# Altium PCB 菜单底板.PcbDoc
Units mm, origin at the board's own origin, x right, y up, seen from the top; angles counter-clockwise.
Board outline 55.24 x 65.13 mm, 2 copper layers (Top Layer, Bottom Layer); 31 components, 34 nets, 154 pads, 38 vias.
Unrouted connection lines stored in the file: 1.
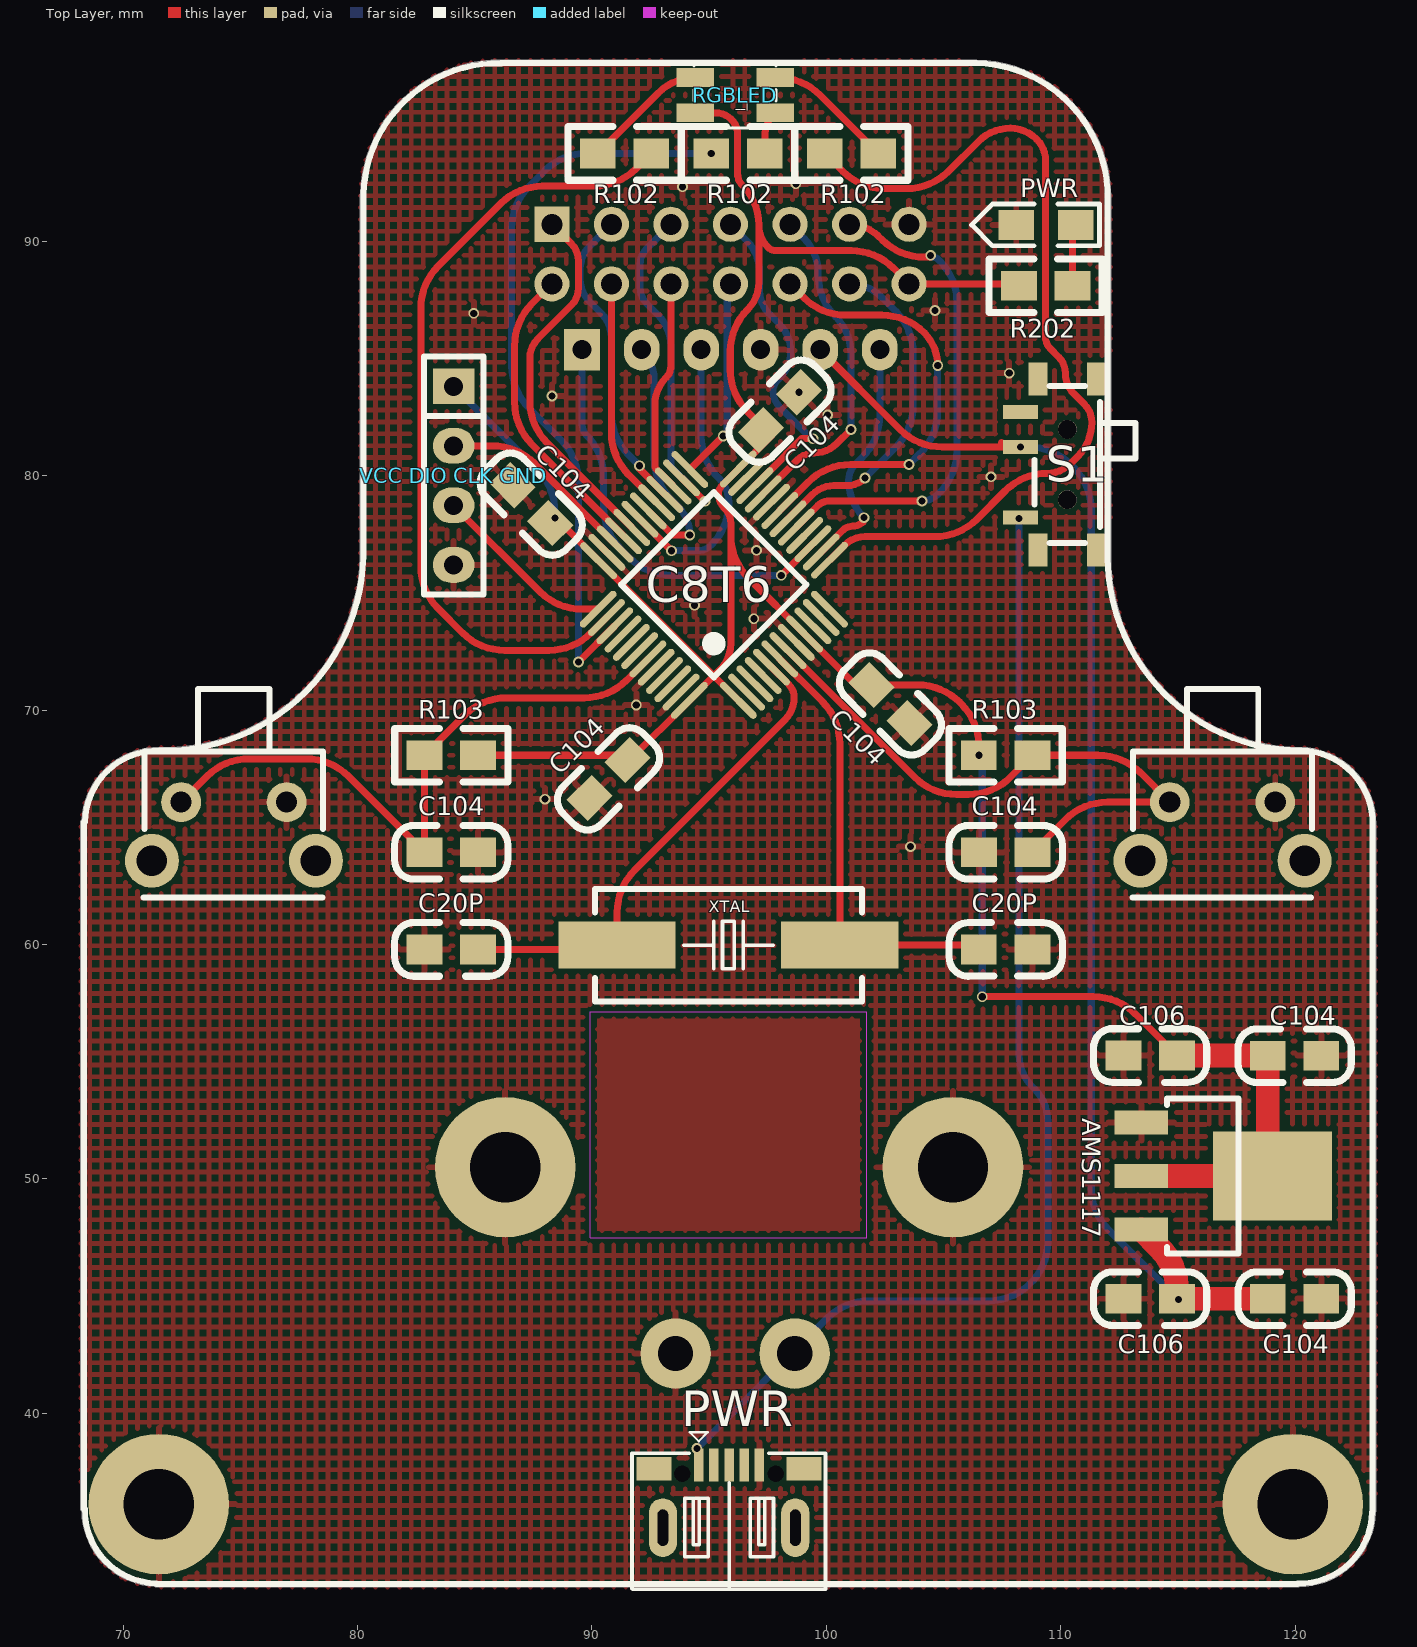
[diagram p0: Top Layer view]
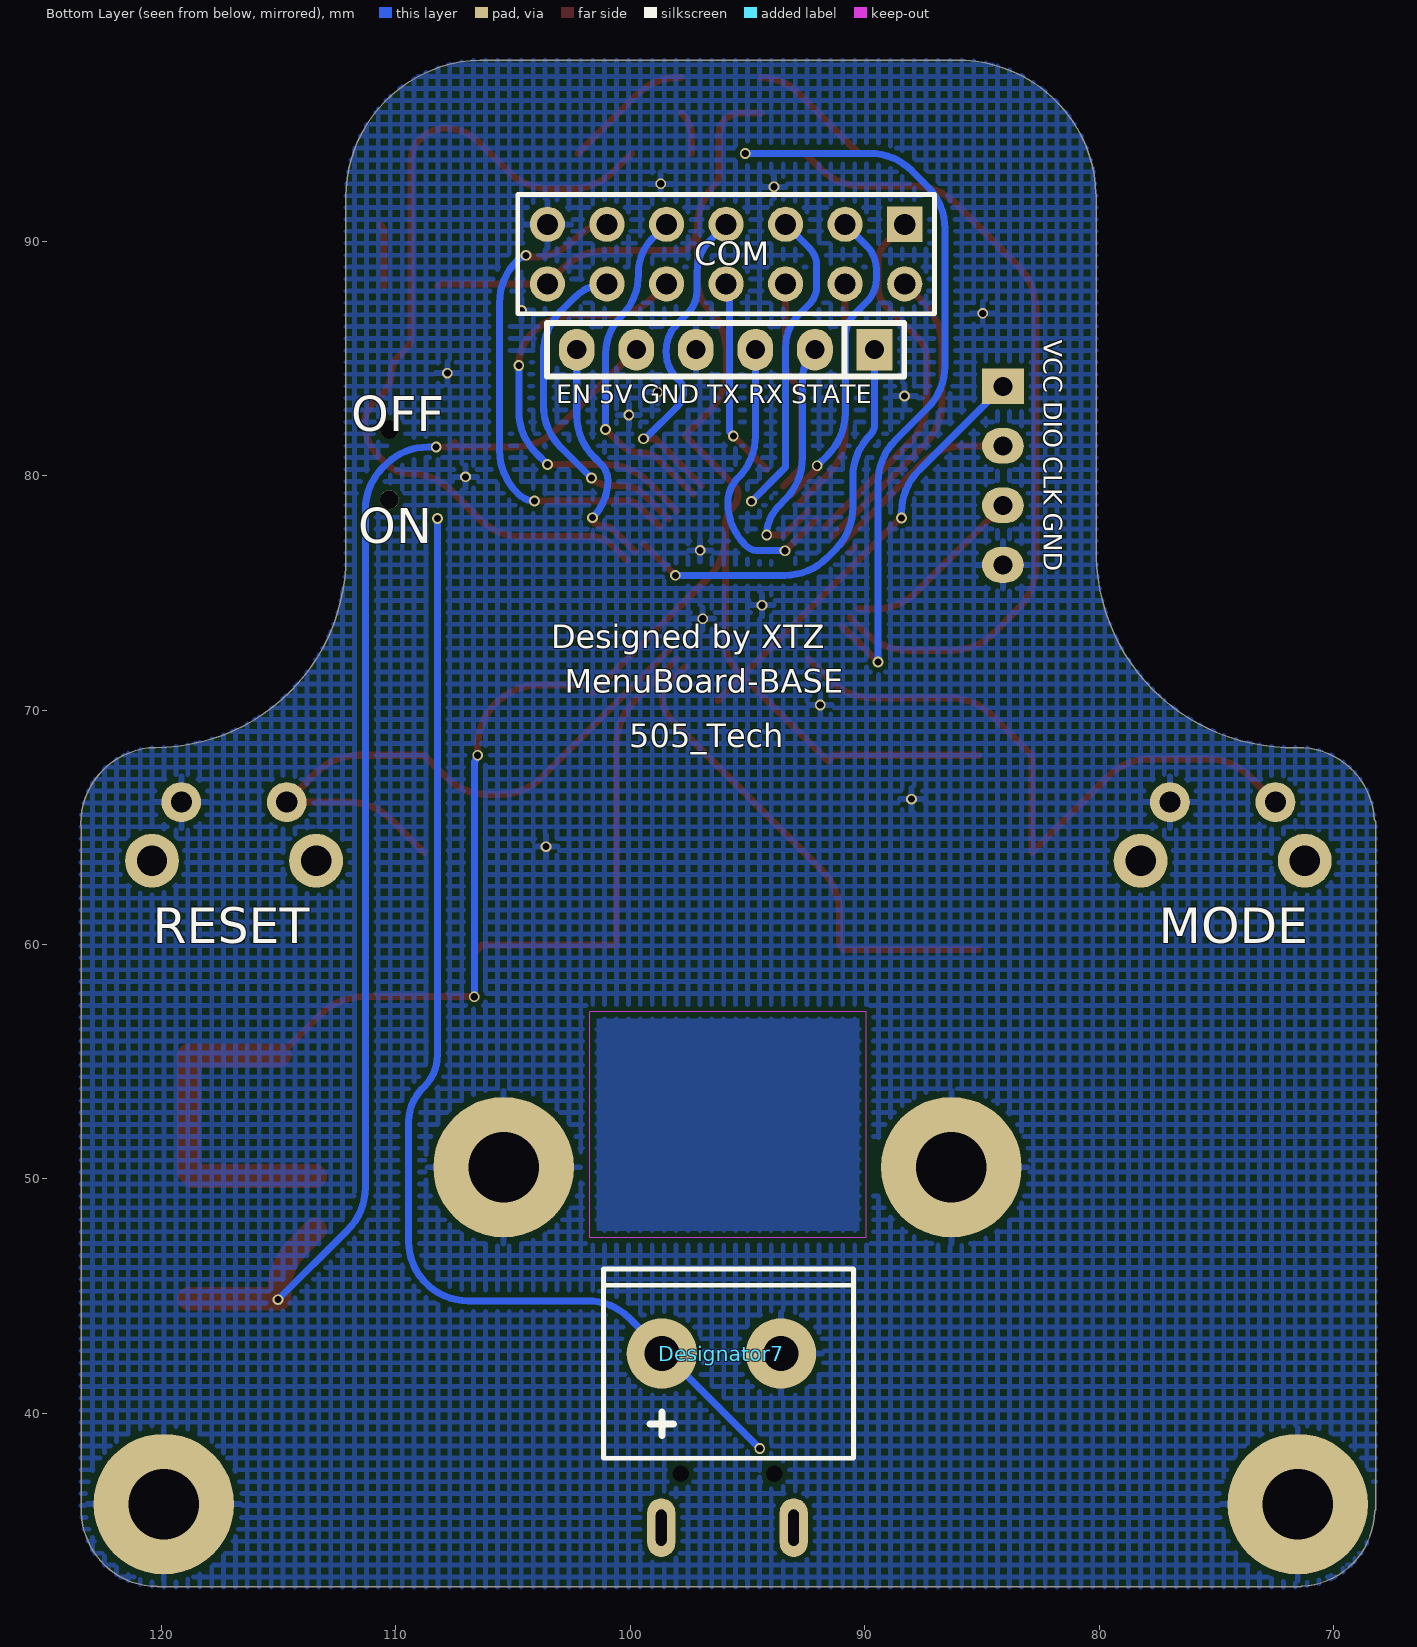
[diagram p1: Bottom Layer view, seen from below]

## Layer stack, top to bottom
Top Solder: solder mask 0.0102, Solder Resist, Dk 3.5
Top Layer: signal copper 0.0356
Dielectric 1: dielectric 0.32, FR-4, Dk 4.8
Bottom Layer: signal copper 0.0356
Bottom Solder: solder mask 0.0102, Solder Resist, Dk 3.5

## Board outline
68.247,35.824 cw(c68.325,35.925) 68.198,35.925 68.198,65.225 cw(c68.325,65.225) 68.251,65.329 cw(c71.487,65.162) 71.553,68.402 cw(c71.55,68.275) 71.553,68.402 ccw(c71.762,76.763) 80.123,76.552 ccw(c71.762,76.763) 80.123,76.553 80.123,76.55 80.123,91.981 cw(c80.25,91.981) 80.13,92.024 cw(c86,91.85) 86.094,97.722 cw(c86.131,97.6) 86.131,97.727 106.405,97.727 cw(c106.406,97.6) 106.409,97.727 cw(c106.275,91.875) 112.129,91.875 cw(c106.275,91.875) 112.127,91.742 cw(c106.275,91.875) 112.127,91.741 112.127,91.744 112.127,76.55 cw(c112,76.55) 112.127,76.549 ccw(c120.266,76.541) 120.257,68.402 cw(c120.257,68.275) 120.26,68.402 ccw(c120.194,65.163) 120.259,68.402 120.26,68.402 cw(c120.194,65.163) 123.435,65.163 cw(c120.194,65.163) 123.434,65.097 cw(c123.307,65.1) 123.427,65.059 123.427,35.825 cw(c123.3,35.825) 123.41,35.761 cw(c120.171,35.856) 120.173,32.615 cw(c120.108,32.725) 120.108,32.598 71.425,32.598 cw(c71.425,32.725) 71.346,32.625 cw(c71.488,35.862)

## Design rules (kind name [scope] priority, off if disabled: settings)
Clearance [All] p1: gap=0.2 ignorepadtopadclearanceinfootprint=TRUE
PolygonConnect [All] p1: connectstyle=Relief reliefconductorwidth=0.254 reliefentries=4 polygonreliefangle="90 Angle" airgapwidth=0.254
RoutingVias [All] p1: holewidth=0.711 width=1.27 viastyle="Through Hole" minholewidth=0.711 minwidth=1.27 maxholewidth=0.711 maxwidth=1.27
SolderMaskExpansion [All] p1: expansion=0.102
Width [All] p1: maxlimit=1.016 minlimit=0.15 preferedwidth=0.3
30 further rules are at their usual default settings.

## Components (designator, comment, footprint, x,y, rotation, side; value= is the part's Value field where it differs from the comment)
AMS1117 "AMS1117" SOT223 113.437,50.125 r270 top (schematic designator U2)
C8T6 "STM32F103C8T6" "LQFP48 7X7" 95.2,75.35 r45 top locked (schematic designator U1)
C20P "20p" 0805C 108.775,59.783 r180 top (schematic designator C7)
C20P "20p" 0805C 82.875,59.8 r0 top (schematic designator C5)
C104 "104" 0805C 85.122,63.926 r180 top (schematic designator C12)
C104 "104" 0805C 98.821,83.542 r225 top (schematic designator C11)
C104 "104" 0805C 103.522,69.464 r135 top (schematic designator C10)
C104 "104" 0805C 86.625,79.587 r315 top (schematic designator C9)
C104 "104" 0805C 89.906,66.278 r45 top (schematic designator C8)
C104 "104" 0805C 106.528,63.943 r0 top (schematic designator C6)
C104 "104" 0805C 121.1,55.25 r180 top (schematic designator C4)
C104 "104" 0805C 121.1,44.883 r180 top (schematic designator C2)
C106 "10uF" 0805C 112.691,55.275 r0 top (schematic designator C3)
C106 "10uF" 0805C 112.691,44.9 r0 top (schematic designator C1)
COM "Pin HDR2X7" "Pin HDR2X7/2.54mm-S" 88.29,90.725 r0 bottom locked
Designator7 "Comment" 2PIN-5.08B 98.65,42.55 r180 bottom
"EN 5V GND TX RX STATE" "蓝牙接口" Fe-HDR1X6/2.54-S 89.58,85.375 r0 bottom (schematic designator Bluetooth)
MODE "KEY" DIP-6X6X6_C 76.975,66.075 r180 bottom (schematic designator RST_OLED)
PWR "LED" LED-0805B 110.64,90.7 r180 top (schematic designator 2)
PWR "Micro-USB" USB-MICRO_D 94.555,37.798 r0 top locked (schematic designator USB1)
R102 "201" 0805R 95.092,93.75 r0 top (schematic designator R4)
R102 "201" 0805R 99.933,93.75 r0 top (schematic designator R3)
R102 "201" 0805R 92.536,93.75 r180 top (schematic designator R2)
R103 "10K" 0805R 82.857,68.075 r0 top (schematic designator R5)
R103 "10K" 0805R 108.793,68.075 r180 top (schematic designator R1)
R202 "1K" 0805R 108.214,88.1 r0 top (schematic designator R7)
RESET "KEY" DIP-6X6X6_C 119.15,66.075 r180 bottom (schematic designator RST_MCU)
RGBLED "LED_RGB" "LED  3528SMD" 96.2,96.225 r0 top (schematic designator D1)
S1 "MSK-12C01-07" MSK-12C01-07 110.275,80.475 r90 top
"VCC DIO CLK GND" "Female HDR1X4" Fe-HDR1X4/2.54-S 84.1,83.815 r0 top (schematic designator SWD)
XTAL "8MHZ" "OSC HC-49SMD" 95.825,59.975 r180 top

## Footprints (in the part's own frame and the unit in brackets; to place one, negate y for a bottom-side part, rotate by r counter-clockwise, add the part's x,y. Pads: shape width x height; smd on the part's side, far side on the other; paste and mask are expansions set on the pad)
2PIN-5.08B [mm] "3A"
  round 3 hole 1.5: 1(0,0) 2(5.08,0)
  silkscreen extent -2.49,-4.47 8.18,3.61, body extent -2.48,-4.58 8.12,3.02, height 10
0805C [mil]
  rect 60x50 smd: 1(-0.71,-0.4) 2(89.29,-0.4)
  silkscreen extent -51,-45 139,45, body extent 6,-25 84,25, height 31
0805R [mil]
  rect 60x50 smd: 1(0,0) 2(90,0)
  silkscreen extent -50,-45 140,45, body extent 1,-25 80,25, height 15
DIP-6X6X6_C [mm]
  round 2.3 hole 1.3: 0(-1.25,-2.5) 0(5.75,-2.5)
  round 1.7 hole 0.9: 1(0,0) 3(4.5,0)
  body extent -1.9,-4.17 6.46,4.68, height 7.47
Fe-HDR1X4/2.54-S [mil]
  rect 70x60 hole 32: 1(0,0)
  oval 70x60 hole 32: 2(0,-100) 3(0,-200) 4(0,-300)
  silkscreen extent -50,-350 50,50, body extent -44,-355 54,55, height 335
Fe-HDR1X6/2.54-S [mil]
  rect 60x70 hole 32: 1(0,0)
  oval 60x70 hole 32: 2(100,0) 3(200,0) 4(300,0) 5(400,0) 6(500,0)
  silkscreen extent -50,-45 550,45, body extent -55,-49 555,49, height 109
"LED  3528SMD" [mm]
  rect 1.6x0.8 smd: B(-1.79,0.758) C(-1.79,-0.742) G(1.61,0.758) R(1.61,-0.742)
  silkscreen extent -1.84,-1.39 1.66,1.41
LED-0805B [mil]
  rect 60x50 smd: A(0,0) K(100,0)
  silkscreen extent -40,-35 175,35, body extent 10,-25 89,25, height 32
"LQFP48 7X7" [mm]
  oval 0.3x2.1 smd: 1(-2.75,-4.227) 2(-2.25,-4.227) 3(-1.75,-4.227) 4(-1.25,-4.227) 5(-0.75,-4.227) 6(-0.25,-4.227) 7(0.25,-4.227) 8(0.75,-4.227) 9(1.25,-4.227) 10(1.75,-4.227) 11(2.25,-4.227) 12(2.75,-4.227) 25(2.75,4.202) 26(2.25,4.202) 27(1.75,4.202) 28(1.25,4.202) 29(0.75,4.202) 30(0.25,4.202) 31(-0.25,4.202) 32(-0.75,4.202) 33(-1.25,4.202) 34(-1.75,4.202) 35(-2.25,4.202) 36(-2.75,4.202)
  oval 2.1x0.3 smd: 13(4.227,-2.75) 14(4.227,-2.25) 15(4.227,-1.75) 16(4.227,-1.25) 17(4.227,-0.75) 18(4.227,-0.25) 19(4.227,0.25) 20(4.227,0.75) 21(4.227,1.25) 22(4.227,1.75) 23(4.227,2.25) 24(4.227,2.75) 37(-4.227,2.75) 38(-4.227,2.25) 39(-4.227,1.75) 40(-4.227,1.25) 41(-4.227,0.75) 42(-4.227,0.25) 43(-4.227,-0.25) 44(-4.227,-0.75) 45(-4.227,-1.25) 46(-4.227,-1.75) 47(-4.227,-2.25) 48(-4.227,-2.75)
  silkscreen extent -2.79,-2.79 2.79,2.79, body extent -4.51,-4.5 4.5,4.5, height 1.45
MSK-12C01-07 [mm]
  rect 1.4x0.8 smd: 0(-3.65,-1.25) 0(-3.65,1.25) 0(3.65,-1.25) 0(3.65,1.25)
  rect 0.6x1.5 smd: 1(2.25,1.996) 2(0.75,1.996) 3(-2.25,1.996)
  round 0.8 hole 0.8: " "(-1.5,0) " "(1.5,0)
  silkscreen extent -3.35,-2.92 3.35,1.4, body extent -3.92,-2.89 3.92,2.41, height 1.5
"OSC HC-49SMD" [mm]
  rect 5x2 smd: 1(-4.75,0) 2(4.75,0)
  silkscreen extent -5.7,-2.4 5.7,2.4, body extent -6.37,-2.41 6.63,2.24, height 4.63
"Pin HDR2X7/2.54mm-S" [mm] "Connector; Header; 7x2 Position"
  rect 1.5x1.5 hole 0.9: 1(0,0)
  round 1.5 hole 0.9: 2(0,2.54) 3(2.54,0) 4(2.54,2.54) 5(5.08,0) 6(5.08,2.54) 7(7.62,0) 8(7.62,2.54) 9(10.16,0) 10(10.16,2.54) 11(12.7,0) 12(12.7,2.54) 13(15.24,0) 14(15.24,2.54)
  silkscreen extent -1.27,-1.27 16.51,3.81, body extent -1.27,-1.27 16.51,3.81, height 7.58
SOT223 [mil]
  rect 40x90 smd: 1(-90,0) 2(0,0) 3(90,0)
  rect 150x200 smd: 2(0,220)
  silkscreen extent -130,43 130,163, body extent -130,-30 126,246, height 65
USB-MICRO_D [mm]
  rect 1.5x1 smd: 0(-1.905,-0.167) 0(4.495,-0.167)
  oval 1.2x2.5 hole 0.45 slot 1.55 at 90 deg: 0(-1.53,-2.673) 0(4.12,-2.673)
  round 0.6 hole 0.7 unplated: 0(-0.705,-0.373) 0(3.295,-0.373)
  rect 0.4x1.4 smd: 1(0,0) 2(0.648,0) 3(1.295,0) 4(1.943,0) 5(2.591,0)
  silkscreen extent -2.84,-5.3 5.41,1.4, body extent -2.73,-5.35 5.27,0.25, height 2.8

## Part data
AMS1117: "三端稳压芯片"
C20P C20P C104 C104 C104 C104 C104 C104 C104 C104 C106 C106: library part CAP, "无极性电容"
"EN 5V GND TX RX STATE": library part "Female HDR1X6"
R102 R102 R102 R103 R103 R202: library part RES
RGBLED: "贴片0805， 深圳市追芯电子"
XTAL: library part XTAL-2P, "2脚无源脚晶振"

## Free pads (board coordinates)
  round 6 hole 3: 2(86.3,50.5) 2(105.4,50.5) 4(119.898,36.127) 6(71.523,36.127)

## Via types
v1: diameter 0.457, hole 0.305, Top Layer to Bottom Layer, 38 vias

## Nets (pads, with @x,y where several pads share a name; then routed paths per layer and width w, separated by ;. In a path a pad name is that pad's centre, name@x,y a point inside that pad or via, vN(x,y) a via of type N, cw(c..) or ccw(c..) an arc to the next point about the centre after c; other vN are vias at no path point)
3.3V: "VCC DIO CLK GND.1" AMS1117.2 C8T6.1 C8T6.9 C8T6.24 C8T6.36 C8T6.48 C104.2@88.222,77.976 C104.2@91.517,67.875 C104.2@97.21,81.946 C104.2@101.925,71.075 C104.2@118.832,55.26 C106.2@114.959,55.265 COM.14 R103.2 R202.1 RGBLED.C | length 119.8
  Top Layer w0.3: R103.2@85.143,68.075 91.317,68.075 C104.2@91.517,67.875 ; C104.2@88.45,78.211 C8T6.36 95.189,71.472 95.189,71.45 ; C104.2@91.566,67.826 C8T6.48 95.189,71.45 ; RGBLED.C 95.268,95.483 cw(c95.268,94.518) 95.95,95.2 cw(c95.319,94.569) 96.211,94.569 96.211,92.891 ccw(c96.941,92.891) 96.425,92.375 cw(c94.735,90.685) 97.125,90.685 ; C8T6.1 95.211,71.45 95.462,71.701 95.462,71.722 ; C104.2@101.609,70.709 C8T6.9 96.669,75.649 cw(c98.465,77.445) 95.925,77.445 ; C104.2@101.925,71.075 103.898,71.075 cw(c103.898,68.535) 105.694,70.331 105.763,70.262 cw(c103.967,68.466) 106.507,68.466 v1(106.507,68.075) ; v1(106.65,57.775) 111.397,57.775 cw(c111.397,55.235) 113.193,57.031 C106.2@114.959,55.265 ; R202.1 ccw(c108.009,87.895) 108.009,88.185 COM.14 102.859,88.856 ccw(c101.063,87.06) 101.063,89.6 97.832,89.6 cw(c97.832,90.04) 97.521,89.729 cw(c98.477,90.685) 97.125,90.685 ; 95.189,71.45 95.462,71.722 ; 95.462,71.722 ccw(c94.343,72.841) 95.925,72.841 95.925,77.445 ; 95.925,77.445 95.925,77.958 ccw(c94.978,77.958) 95.647,78.628 cw(c96.245,79.225) 95.4,79.225 cw(c95.917,79.225) 95.551,79.59 C8T6.24 97.65,81.689 97.65,81.725 96.644,82.731 cw(c98.44,84.527) 95.9,84.527 95.9,85.298 cw(c98.44,85.298) 96.644,87.094 ccw(c95.483,88.255) 97.125,88.255 97.125,90.685
  Top Layer w1.016: AMS1117.2@113.437,50.125 118.639,50.125 118.832,50.318 118.832,55.26 118.827,55.265 C106.2@114.959,55.265
  Bottom Layer w0.3: 84.1,83.815 87.681,80.234 cw(c85.885,78.438) 88.425,78.438 v1(88.425,78.2) ; v1(106.507,68.075) cw(c106.282,67.85) 106.6,67.85 106.65,67.8 v1(106.65,57.775)
5V: "EN 5V GND TX RX STATE.5" AMS1117.3 C104.2@118.832,44.893 C106.2@114.959,44.89 S1.2 | length 56.8
  Top Layer w0.3: 99.74,85.375 103.146,81.969 ccw(c104.942,83.765) 104.942,81.225 S1.2@107.911,81.225
  Top Layer w1.016: AMS1117.3 114.215,47.061 cw(c112.419,45.265) 114.959,45.265 114.959,44.89 118.828,44.89 C104.2@118.832,44.893
  Bottom Layer w0.3: v1(108.279,81.225) 108.623,81.225 cw(c108.623,78.685) 110.419,80.481 110.556,80.344 cw(c108.76,78.548) 111.3,78.548 111.3,49.627 ccw(c113.84,49.627) 112.044,47.831 v1(115.025,44.85)
BEEP: C8T6.28 COM.3 | length 13.2
  Top Layer w0.3: v1@91.959,80.359 C8T6.28
  Bottom Layer w0.3: COM.3 89.915,89.81 ccw(c90.917,88.808) 89.5,88.808 89.5,88.391 ccw(c90.866,88.391) 89.9,87.425 90.401,86.924 cw(c89.376,85.9) 90.825,85.9 90.825,82.677 ccw(c93.365,82.677) 91.569,80.881 v1(92.025,80.425)
BLUETOOTH_EN: "EN 5V GND TX RX STATE.6" C8T6.14 | length 10
  Top Layer w0.3: C8T6.14 100.71,77.678 cw(c101.125,77.263) 101.125,77.85 ccw(c101.125,78.497) v1@101.583,78.04
  Bottom Layer w0.3: v1(101.609,78.211) cw(c103.2,79.802) 100.95,79.802 cw(c101.912,79.802) 101.232,80.482 101.536,80.786 ccw(c99.74,82.582) 102.28,82.582 102.28,85.375
BLUETOOTH_STATE: "EN 5V GND TX RX STATE.1" C8T6.15 | length 18.1
  Top Layer w0.3: v1(98.075,75.75) C8T6.15
  Bottom Layer w0.3: 89.58,85.375 89.58,82.169 ccw(c90.181,82.169) 89.756,81.744 cw(c87.96,79.948) 90.5,79.948 90.5,78.652 ccw(c93.04,78.652) 91.244,76.856 91.606,76.494 ccw(c93.402,78.29) 93.402,75.75 v1(98.075,75.75)
GND: "EN 5V GND TX RX STATE.4" "VCC DIO CLK GND.4" AMS1117.1 C8T6.8 C8T6.20 C8T6.23 C8T6.35 C8T6.44 C8T6.47 C20P.1 C104.1 C106.1 COM.13 Designator7.2 MODE.1 pad.2 pad.4 pad.6 PWR.5 PWR.K RESET.1 | length 0.3
  Top Layer w0.3: C8T6.35@90.405,76.963 C8T6.35
  other v1: 103.588,64.175 88,66.202 91.893,70.218 96.908,73.9 94.375,74.475 97.017,76.816 107.025,79.95 100.056,82.587 88.3,83.4 98.827,83.562 107.8,84.375 84.961,86.925 104.635,87.052 93.866,92.325 98.7,92.452
KEY_BACK: C8T6.18 COM.12 | length 14.3
  Top Layer w0.3: C8T6.18 99.399,79.195 cw(c100.316,78.277) 100.316,79.575 100.875,79.575 ccw(c100.875,80.661) 101.643,79.893 v1(101.65,79.9)
  Bottom Layer w0.3: COM.12 cw(c100.99,86.254) 102.356,87.619 102.956,87.019 cw(c101.16,85.223) 103.7,85.223 103.7,83.002 cw(c101.16,83.002) 102.956,81.206 v1(101.65,79.9)
KEY_DOWN: C8T6.25 COM.8 | length 8.9
  Top Layer w0.3: C8T6.25 v1(95.6,81.692)
  Bottom Layer w0.3: v1(95.6,81.692) 95.772,81.864 95.772,87.875 95.6,87.875 COM.8
KEY_LEFT: C8T6.29 COM.4 | length 10
  Top Layer w0.3: COM.4 90.83,81.833 ccw(c93.37,81.833) 91.574,80.037 C8T6.29
KEY_OK: C8T6.33 COM.2 | length 13.1
  Top Layer w0.3: COM.2 87.444,87.339 ccw(c89.24,85.543) 86.7,85.543 86.7,83.134 ccw(c89.24,83.134) 87.444,81.338 C8T6.33
KEY_RIGHT: C8T6.19 COM.10 | length 18.8
  Top Layer w0.3: C8T6.19 99.228,79.731 cw(c101.024,77.935) 101.024,80.475 101.407,80.475 101.41,80.479 103.521,80.479 v1(103.525,80.475) v1@103.525,80.428 ; COM.10 99.041,87.594 ccw(c100.837,89.39) 100.837,86.85 102.373,86.85 cw(c102.373,84.31) 104.169,86.106 cw(c102.766,84.703) v1(104.75,84.703)
  Bottom Layer w0.3: v1(103.525,80.475) 104.006,80.956 ccw(c102.21,82.752) 104.75,82.752 v1(104.75,84.703)
KEY_UP: C8T6.27 COM.6 | length 9.1
  Top Layer w0.3: COM.6 93.37,84.671 cw(c92.704,84.671) 93.175,84.2 ccw(c94.361,83.014) 92.684,83.014 92.684,80.341 C8T6.27
LED_TOP: C8T6.32 COM.1 | length 15.8
  Top Layer w0.3: COM.1 89.12,89.895 cw(c88.384,89.159) 89.425,89.159 89.425,87.999 cw(c88.401,87.999) 89.125,87.275 87.706,85.856 ccw(c88.564,84.997) 87.35,84.997 87.35,83.191 ccw(c89.89,83.191) 88.094,81.395 C8T6.32
LEDRGB_B: C8T6.39 R102.1@95.092,93.75 | length 31.9
  Top Layer w0.3: v1(89.425,72.05) C8T6.39
  Bottom Layer w0.3: v1(89.425,72.05) 89.425,79.723 ccw(c86.885,79.723) 88.681,81.519 87.319,82.881 cw(c89.115,84.677) 86.575,84.677 86.575,90.548 cw(c89.115,90.548) 87.319,92.344 87.981,93.006 cw(c89.777,91.21) 89.777,93.75 v1(95.092,93.75)
LEDRGB_G: C8T6.13 R102.1@99.933,93.75 | length 37.1
  Top Layer w0.3: R102.1@99.933,93.75 100.69,92.994 ccw(c102.486,94.79) 102.486,92.25 103.423,92.25 ccw(c103.423,94.79) 105.219,92.994 106.484,94.259 cw(c107.85,92.894) 107.85,94.825 cw(c107.85,93.256) 108.96,94.365 108.975,94.35 cw(c108.07,93.445) 109.35,93.445 109.35,85.908 ccw(c110.033,85.908) 109.55,85.425 109.909,85.066 cw(c109.218,84.375) 110.195,84.375 ccw(c111.439,84.375) 110.559,83.496 ; C8T6.13 100.783,77.044 cw(c101.643,76.183) 101.643,77.4 104.623,77.4 ccw(c104.623,79.94) 106.419,78.144 107.631,79.356 cw(c109.427,77.56) 109.427,80.1 ccw(c109.427,81.483) 110.405,80.505 110.724,80.824 ccw(c109.273,82.275) 111.325,82.275 ccw(c110.226,82.275) 111.003,83.052 110.559,83.496
LEDRGB_R: C8T6.38 R102.1@92.536,93.75 | length 34.2
  Top Layer w0.3: C8T6.38 89.962,73.294 cw(c88.166,75.09) 88.166,72.55 86.277,72.55 cw(c86.277,75.09) 84.481,73.294 83.444,74.331 cw(c85.24,76.127) 82.7,76.127 82.7,87.148 cw(c85.24,87.148) 83.444,88.944 86.125,91.625 cw(c87.875,89.875) 87.875,92.35 90.084,92.35 ccw(c90.084,94.89) 91.88,93.094 R102.1@92.536,93.75
Net1_A: 
Net2_A: PWR.A R202.2 | length 2.6
  Top Layer w0.3: R202.2 110.5,90.362 cw(c110.978,90.362) PWR.A
NetD1_1: R102.2@90.25,93.75 RGBLED.B | length 5.4
  Top Layer w0.3: R102.2@90.25,93.75 92.827,96.327 cw(c94.41,94.744) RGBLED.B
NetD1_2: R102.2@102.219,93.75 RGBLED.G | length 5.6
  Top Layer w0.3: RGBLED.G 97.935,96.983 cw(c97.935,94.443) 99.731,96.239 R102.2@102.219,93.75
NetD1_4: R102.2@97.378,93.75 RGBLED.R | length 1.8
  Top Layer w0.3: R102.2@97.378,93.75 97.378,94.439 cw(c98.854,94.439) RGBLED.R
NRST: C8T6.7 C104.2@108.796,63.932 R103.1@108.793,68.075 RESET.3 | length 26.7
  Top Layer w0.3: C8T6.7 103.76,67.144 ccw(c105.556,68.94) 105.556,66.4 106.066,66.4 ccw(c106.066,68.94) 107.862,67.144 108.793,68.075 111.598,68.075 cw(c111.598,65.535) 113.394,67.331 RESET.3 111.991,66.075 ccw(c111.991,63.535) 110.195,65.331 C104.2@108.796,63.932
OLED_D0: C8T6.26 COM.5 | length 14.8
  Top Layer w0.3: C8T6.26 v1(94.825,78.907)
  Bottom Layer w0.3: COM.5 92.336,89.691 ccw(c93.028,89) 92.05,89 92.05,88.049 ccw(c93.074,88.049) 92.35,87.325 92.801,86.874 cw(c91.427,85.5) 93.37,85.5 93.37,80.362 v1(94.825,78.907)
OLED_D1: C8T6.22 COM.7 | length 14.3
  Top Layer w0.3: C8T6.22 98.272,80.897 98.272,80.916 98.935,81.579 v1(99.43,81.579)
  Bottom Layer w0.3: COM.7 96.595,90.04 cw(c95.255,88.7) 97.15,88.7 97.15,87.891 ccw(c98.516,87.891) 97.55,86.925 97.98,86.495 cw(c96.785,85.3) 98.475,85.3 cw(c96.845,85.3) 97.998,84.148 97.919,84.069 ccw(c98.389,83.6) 97.725,83.6 ccw(c98.63,83.6) 97.99,82.96 v1@99.371,81.579 ; v1@99.296,81.579 v1@99.371,81.579 ; v1(99.43,81.579) v1@99.371,81.579
OLED_DS: C8T6.17 COM.11 | length 21.1
  Top Layer w0.3: C8T6.17 99.625,78.714 cw(c100.133,78.206) 100.133,78.925 v1(104.081,78.925) ; COM.11 cw(c100.99,88.968) 102.233,90.21 102.374,90.069 ccw(c104.17,91.865) 104.17,89.325 v1@104.45,89.325
  Bottom Layer w0.3: v1(104.081,78.925) ccw(c104.081,79.875) 104.753,79.203 104.831,79.281 ccw(c103.035,81.077) 105.575,81.077 105.575,87.373 ccw(c103.035,87.373) 104.831,89.169 104.781,89.219 ccw(c104.525,88.963) v1@104.525,89.325
  other v1: 104.45,89.4
OLED_INIT: C8T6.43 C104.2@82.854,63.936 MODE.3 R103.1@82.857,68.075 | length 27.7
  Top Layer w0.3: MODE.3 73.581,67.181 cw(c75.377,65.385) 75.377,67.925 77.812,67.925 cw(c77.812,65.385) 79.608,67.181 82.854,63.936 82.857,63.94 82.857,68.075 84.563,69.781 cw(c86.359,67.985) 86.359,70.525 89.676,70.525 ccw(c89.676,73.065) 91.473,71.269 C8T6.43
OLED_RST: C8T6.21 COM.9 | length 14.3
  Top Layer w0.3: C8T6.21 98.743,80.66 cw(c99.502,79.901) 99.502,80.975 ccw(c99.502,82.298) 100.437,81.362 v1(101.05,81.975)
  Bottom Layer w0.3: COM.9 99.031,90.144 cw(c97.538,88.65) 99.65,88.65 99.65,88.577 ccw(c102.19,88.577) 100.394,86.781 cw(c98.81,85.197) 101.05,85.197 v1(101.05,81.975)
OSC_IN: C8T6.5 C20P.2@85.143,59.79 XTAL.2 | length 21.2
  Top Layer w0.3: C20P.2@85.143,59.79 90.89,59.79 XTAL.2 91.075,61.373 cw(c93.615,61.373) 91.819,63.169 98.218,69.568 ccw(c97.237,70.55) 98.625,70.55 ccw(c97.866,70.55) 98.403,71.087 C8T6.5
OSC_OUT: C8T6.6 C20P.2@106.507,59.793 XTAL.1 | length 19.2
  Top Layer w0.3: C8T6.6 99.831,70.365 cw(c98.035,68.569) 100.575,68.569 XTAL.1 106.325,59.975 C20P.2@106.507,59.793
SWCLK: "VCC DIO CLK GND.3" C8T6.37 | length 7.9
  Top Layer w0.3: 84.1,78.735 87.785,75.05 ccw(c89.581,76.846) 89.581,74.306 C8T6.37
SWDIO: "VCC DIO CLK GND.2" C8T6.34 | length 8.7
  Top Layer w0.3: 84.281,81.35 ccw(c84.281,81.094) 84.1,81.275 85.748,81.275 cw(c85.748,78.735) 87.544,80.531 C8T6.34
USART1_RX: "EN 5V GND TX RX STATE.3" C8T6.31 | length 12.5
  Top Layer w0.3: C8T6.31 v1(93.396,76.8)
  Bottom Layer w0.3: v1(93.396,76.8) 94.506,76.8 ccw(c94.506,77.632) 95.094,77.044 ccw(c93.297,78.84) 95.837,78.84 95.837,78.849 ccw(c94.357,78.849) 95.404,79.896 cw(c97.2,81.692) 94.66,81.692 94.66,85.375
USART1_TX: "EN 5V GND TX RX STATE.2" C8T6.30 | length 10.7
  Top Layer w0.3: C8T6.30 93.429,77.475 v1(94.174,77.475)
  Bottom Layer w0.3: 92.12,85.375 cw(c90.84,84.095) 92.65,84.095 92.65,80.777 ccw(c95.19,80.777) 93.394,78.981 93.66,78.715 cw(c92.42,77.475) v1(94.174,77.475)
USB5V: Designator7.1 PWR.1 S1.3 | length 50.1
  Bottom Layer w0.3: v1(94.475,38.5) 100.031,44.056 cw(c101.827,42.26) 101.827,44.8 106.91,44.8 ccw(c106.91,47.34) 109.45,47.34 109.45,52.448 ccw(c107.453,52.448) 108.865,53.86 108.775,53.95 cw(c110.103,55.278) 108.225,55.278 v1(108.225,78.175)
pads on no net: "S1. " C8T6.2 C8T6.3 C8T6.4 C8T6.10 C8T6.11 C8T6.12 C8T6.16 C8T6.40 C8T6.41 C8T6.42 C8T6.45 C8T6.46 MODE.0 PWR.0 PWR.2 PWR.3 PWR.4 RESET.0 S1.0 S1.1

## Polygon pours and split planes (outlines as drawn)
GND on Top Layer (solid, pour order 2): 90.232,56.831 90.232,47.794 101.419,47.794 101.419,56.831
GND on Top Layer "Top Layer-No Net" (hatched 90Degree grid 0.508 track 0.203, pour order 0): 68.247,35.824 cw(c68.325,35.925) 68.198,35.925 68.198,65.225 cw(c68.325,65.225) 68.251,65.329 cw(c71.487,65.162) 71.553,68.402 cw(c71.55,68.275) 71.553,68.402 ccw(c71.762,76.763) 80.123,76.552 ccw(c71.761,76.769) 80.123,76.553 80.123,76.55 80.123,91.981 cw(c80.25,91.981) 80.13,92.024 cw(c86,91.85) 86.094,97.722 cw(c86.131,97.6) 86.131,97.727 106.405,97.727 cw(c106.406,97.6) 106.409,97.727 cw(c106.275,91.875) 112.129,91.875 cw(c106.275,91.875) 112.127,91.742 cw(c106.279,91.872) 112.127,91.741 112.127,91.744 112.127,76.55 cw(c112,76.55) 112.127,76.549 ccw(c120.266,76.541) 120.257,68.402 cw(c120.257,68.275) 120.26,68.402 ccw(c120.19,65.163) 120.259,68.402 120.26,68.402 cw(c120.194,65.163) 123.435,65.163 cw(c120.194,65.163) 123.434,65.097 cw(c123.307,65.1) 123.427,65.059 123.427,35.825 cw(c123.3,35.825) 123.41,35.761 cw(c120.171,35.856) 120.173,32.615 cw(c120.108,32.725) 120.108,32.598 71.425,32.598 cw(c71.425,32.725) 71.346,32.625 cw(c71.488,35.862)
GND on Bottom Layer (solid, pour order 4): 90.232,56.831 90.232,47.794 101.419,47.794 101.419,56.831
GND on Bottom Layer "Top Layer-No Net1" (hatched 90Degree grid 0.508 track 0.203, pour order 1): 68.247,35.824 cw(c68.325,35.925) 68.198,35.925 68.198,65.225 cw(c68.325,65.225) 68.251,65.329 cw(c71.487,65.162) 71.553,68.402 cw(c71.55,68.275) 71.553,68.402 ccw(c71.762,76.763) 80.123,76.552 ccw(c71.761,76.769) 80.123,76.553 80.123,76.55 80.123,91.981 cw(c80.25,91.981) 80.13,92.024 cw(c86,91.85) 86.094,97.722 cw(c86.131,97.6) 86.131,97.727 106.405,97.727 cw(c106.406,97.6) 106.409,97.727 cw(c106.275,91.875) 112.129,91.875 cw(c106.275,91.875) 112.127,91.742 cw(c106.279,91.872) 112.127,91.741 112.127,91.744 112.127,76.55 cw(c112,76.55) 112.127,76.549 ccw(c120.266,76.541) 120.257,68.402 cw(c120.257,68.275) 120.26,68.402 ccw(c120.19,65.163) 120.259,68.402 120.26,68.402 cw(c120.194,65.163) 123.435,65.163 cw(c120.194,65.163) 123.434,65.097 cw(c123.307,65.1) 123.427,65.059 123.427,35.825 cw(c123.3,35.825) 123.41,35.761 cw(c120.171,35.856) 120.173,32.615 cw(c120.108,32.725) 120.108,32.598 71.425,32.598 cw(c71.425,32.725) 71.346,32.625 cw(c71.488,35.862)

## Keep-outs
Top Layer:
  lines w0.01: 89.925,47.487 101.726,47.487 101.726,57.138 89.925,57.138 ; 89.926,47.487 89.926,57.138
Bottom Layer:
  lines w0.01: 89.925,47.487 101.726,47.487 101.726,57.138 89.925,57.138 ; 89.926,47.487 89.926,57.138

## Silkscreen, mask and mechanical layers (free items; w line width, h text height)
Top Overlay:
  lines w0.254: 68.325,35.925 68.325,65.225 ; 68.375,35.925 ccw(c71.488,35.862) 71.425,32.75 ; 68.375,65.225 cw(c71.487,65.162) 71.55,68.275 ccw(c71.762,76.763) 80.25,76.55 80.25,91.981 ; 71.425,32.725 120.108,32.725 ; 80.256,91.981 cw(c86,91.85) 86.131,97.594 ; 86.131,97.6 106.406,97.6 cw(c106.275,91.875) 112,91.744 112,76.55 ccw(c120.266,76.541) 120.257,68.275 cw(c120.194,65.163) 123.307,65.1 ; 120.108,32.743 ccw(c120.171,35.856) 123.283,35.793 ; 123.3,35.825 123.3,65.1
Bottom Overlay:
  text "OFF" at 111.9,81.9 h1.5
  text "ON" at 111.6,77.125 h1.5
  text "Designed by XTZ" at 103.375,72.65 h1
  text "MenuBoard-BASE" at 102.8,70.75 h1
  text "505_Tech" at 100.05,68.425 h1
Top Solder:
  drawing of 1129 lines, arcs and shapes, not listed
Bottom Solder:
  drawing of 1129 lines, arcs and shapes, not listed

## Dimensions
68.198,35.925 to 123.427,35.825 on Top Layer
106.405,97.727 to 120.108,32.598 on Top Layer

## Text inside footprints (layer, text, board x,y; h text height)
RGBLED: Top Overlay "__|" at 96.125,95.675 h0.3